# KiCad board q2v2.kicad_pcb (continued)
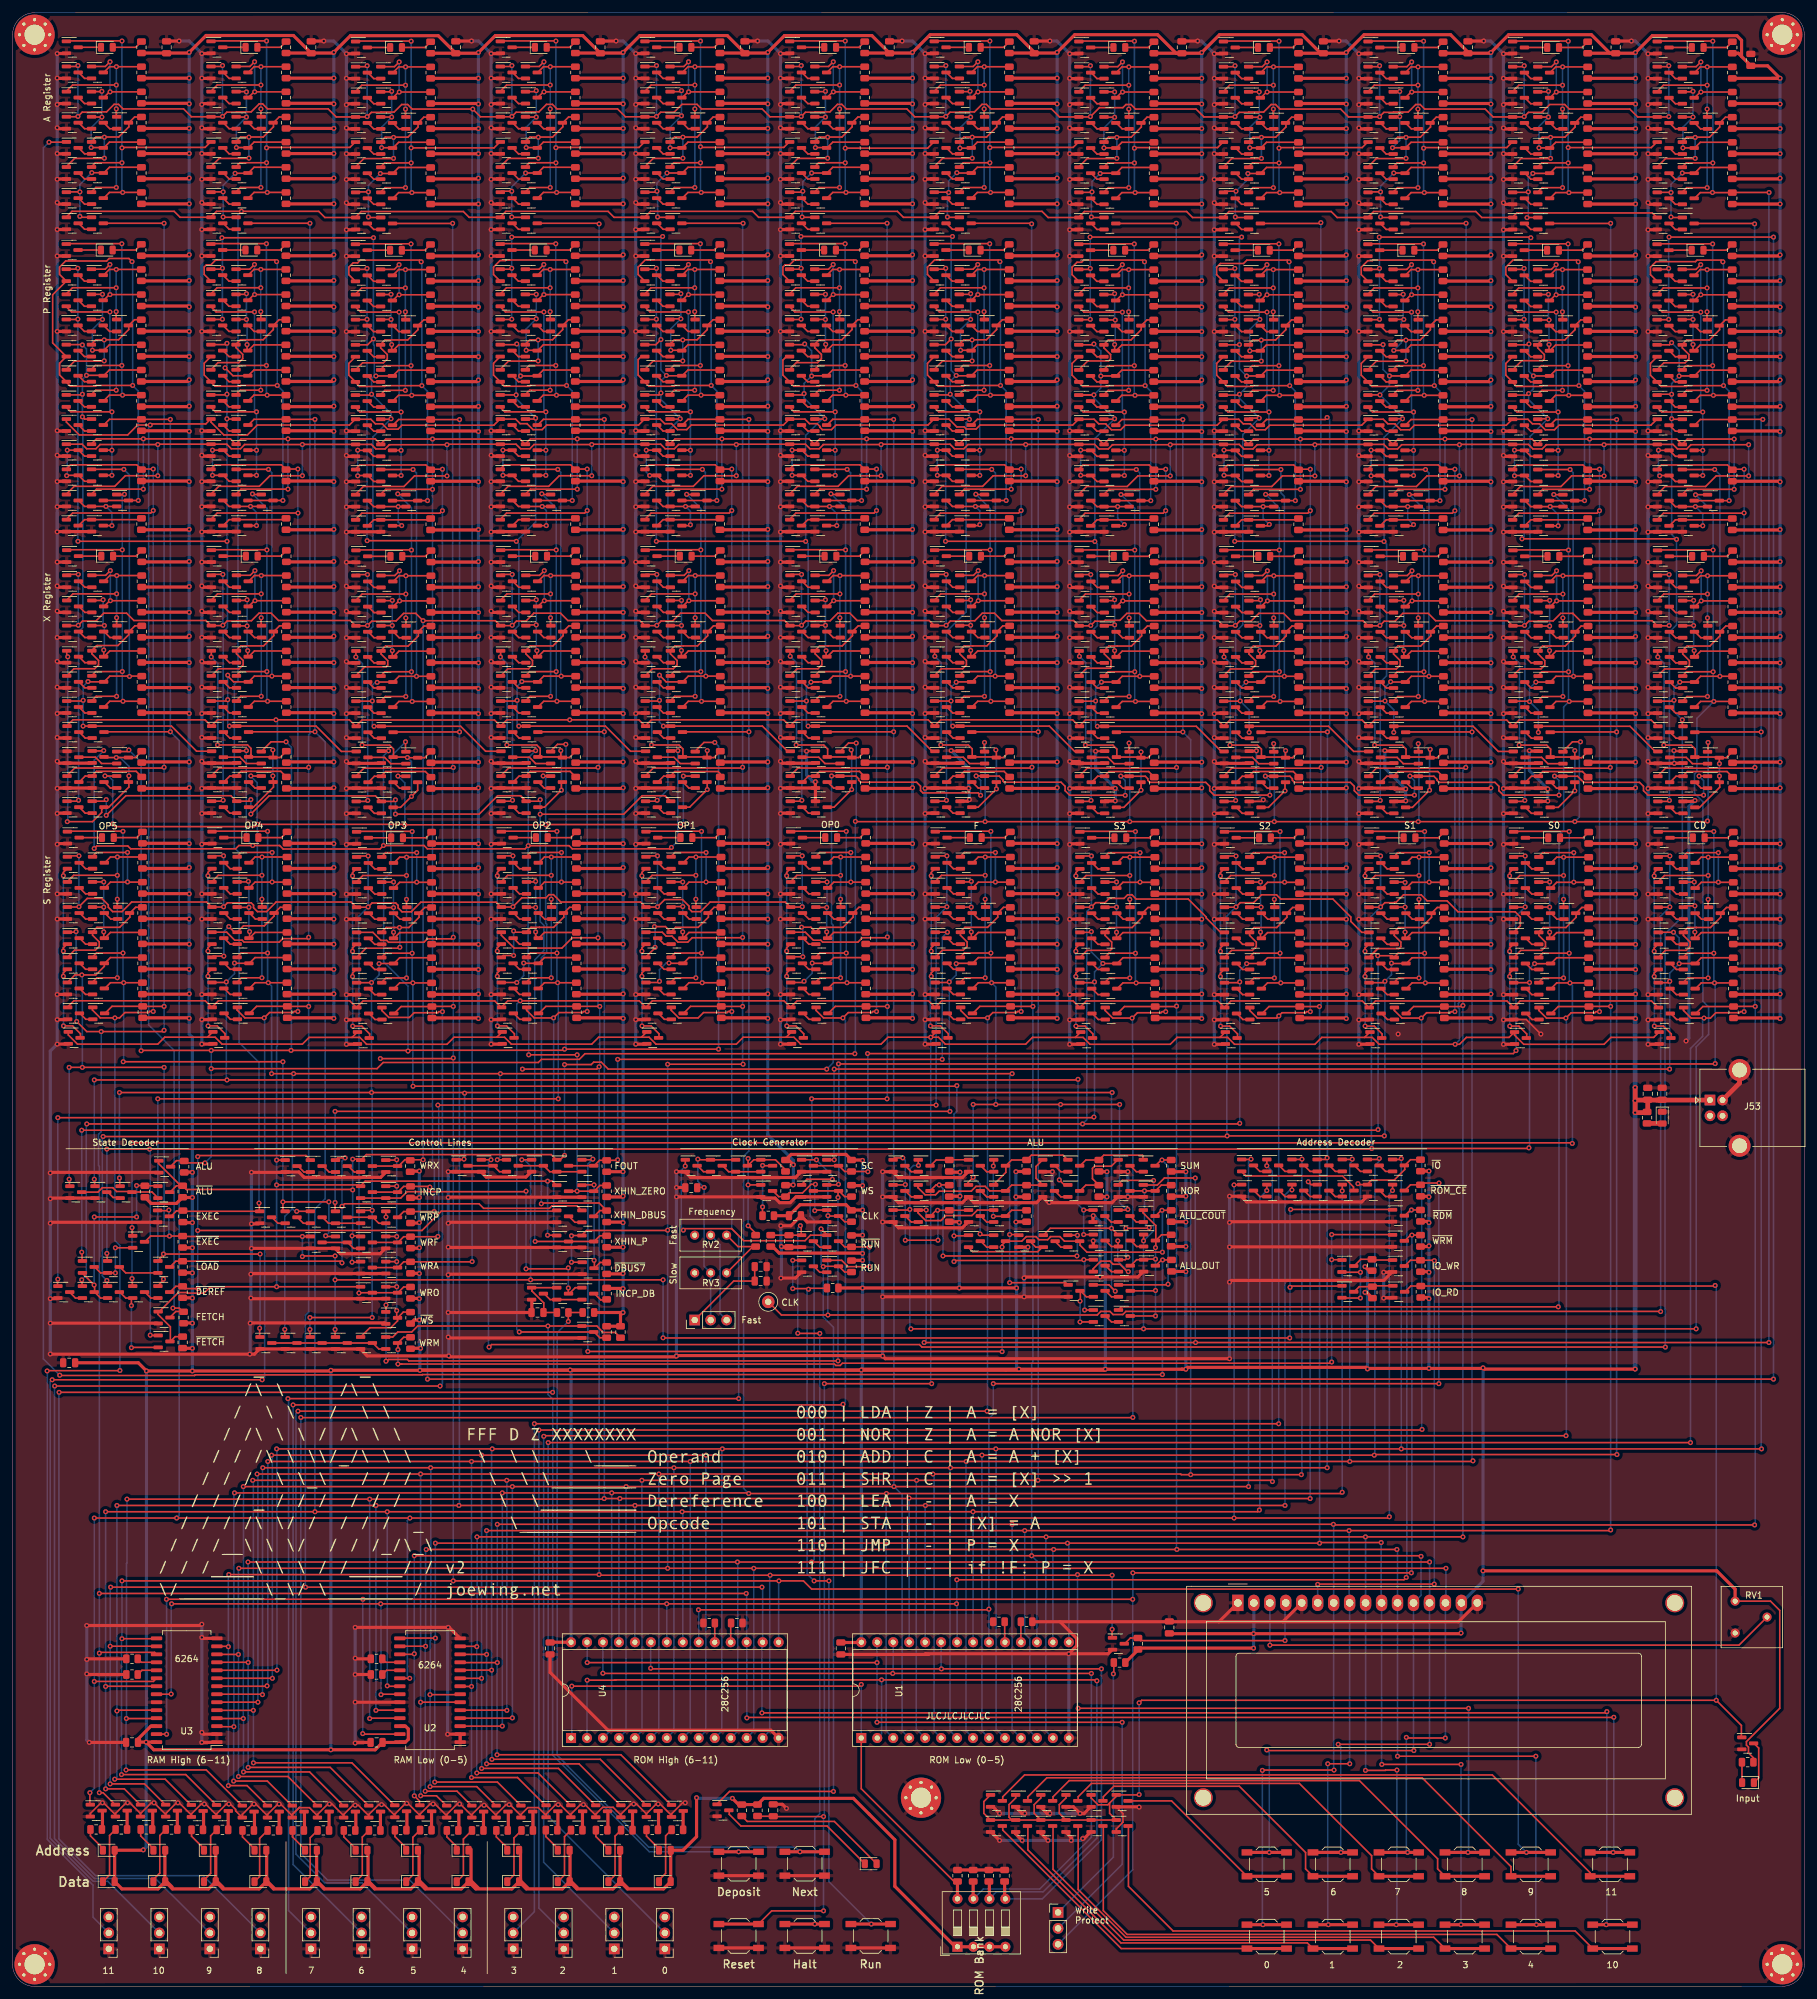
[diagram p0: board, top side]
## Routing (per net, layer and track width the routed paths; a pad name or vN(x,y) marks a point on that pad's centre or on a via; arc(x,y) is an arc through that point)
GND: length 4482.5
  Top w0.25: v1(197.85,196.6) 196.7,196.6 ; 24.35,27.37 v1(22.5,29.23) 22.07,29.23 20.35,27.5 ; 238.75,153.85 240.78,153.85 v1(243.1,151.53) ; Q1125.2 32.44,27.45 34.01,29.03 v1(34.4,29.03) 34.62,29.03 35.48,28.17 35.48,27.93 Q1128.2 36.54,27.36 38.21,29.03 v1(38.4,29.03) 38.69,29.03 40.54,27.17 ; Q1121.2 20.35,27.51 18.64,29.23 v1(18.3,29.23) 18.07,29.23 16.36,27.52 Q1120.2 ; 92.76,27.22 91.06,28.93 v1(90.8,28.93) 90.32,28.93 88.8,27.4 Q1141.2 ; Q1135.2 64.79,27.4 66.41,29.03 v1(66.9,29.03) 67.2,29.03 69.05,27.17 ; 48.5,27.35 48.5,26.88 ; Q1146.2 175.56,25.07 176.63,26.13 176.63,27.51 Q1151.2 ; 32.44,27.27 30.69,29.03 v1(30.5,29.03) 30.01,29.03 28.44,27.45 Q1124.2 ; 56.66,27.17 55.01,28.83 v1(54.5,28.83) 54.13,28.83 52.66,27.35 Q1132.2 ; 88.8,27.22 87.1,28.93 v1(86.8,28.93) 86.38,28.93 84.86,27.4 Q1140.2 ; 40.54,27.35 42.21,29.03 v1(42.4,29.03) 42.62,29.03 44.49,27.15 ; Q1144.2 100.81,27.46 99.25,29.03 v1(98.8,29.03) 98.38,29.03 96.76,27.4 Q1143.2 ; 60.79,27.22 59.09,28.93 v1(58.7,28.93) 58.23,28.93 56.66,27.35 Q1133.2 ; Q1129.2 40.54,27.36 ; 52.66,27.17 50.81,29.03 v1(50.4,29.03) 50.16,29.03 48.49,27.35 Q1131.2 ; 73.05,27.17 71.2,29.03 v1(71.1,29.03) 70.72,29.03 69.05,27.35 Q1136.2 ; Q1122.2 24.35,27.5 26.07,29.23 v1(26.3,29.23) 26.49,29.23 28.44,27.27 ; v1(198.95,188.8) 198.7,188.55 196.65,188.55 ; 16.36,27.33 14.46,29.23 v1(14.3,29.23) 14.08,29.23 12.36,27.51 Q1119.2 ; Q555.1 126.34,196.57 v1(126.3,196.53) ; Q638.1 149.35,196.57 v1(149.3,196.63) ; 84.86,27.22 83.63,28.45 81.95,28.45 80.86,27.36 Q1139.2 ; 44.49,27.35 45.66,28.53 ; 44.49,27.36 Q1130.2 ; 80.86,27.18 79.11,28.93 v1(79,28.93) 78.49,28.93 76.92,27.35 Q1138.2 ; v1(107,29.23) 106.58,29.23 104.81,27.45 Q1145.2 ; 48.49,27.17 47.22,28.45 45.58,28.45 44.41,27.27 44.41,26.95 ; Q1137.2 73.05,27.35 74.52,28.83 v1(75,28.83) 75.33,28.83 76.92,27.23 ; 96.76,27.26 95.53,28.5 93.85,28.5 92.76,27.4 Q1142.2 ; Q721.1 172.29,196.55 v1(172.28,196.53) ; 104.81,27.21 103,29.03 102.38,29.03 100.81,27.45 ; 64.79,27.22 62.89,29.13 v1(62.7,29.13) 62.51,29.13 60.79,27.4 Q1134.2 ; v1(264.27,196.63) 264.36,196.55 Q1053.1
  Top w0.5: 133.55,6.13 139.85,6.13 ; v1(30.1,307.53) 31.45,307.53 ; v1(30.1,279.53) 31.45,279.53 ; 31.5,283.58 30.35,283.58 v1(30.1,283.83) ; v1(30.1,287.53) 30.15,287.58 31.5,287.58 ; v1(30.1,291.63) 30.15,291.58 31.5,291.58 ; v1(30.1,295.73) 30.25,295.58 31.5,295.58 ; 31.5,299.58 30.25,299.58 v1(30.1,299.43) ; v1(30.1,303.63) 30.15,303.58 31.5,303.58 ; v1(30.1,153.83) 31.65,153.83 ; 35.6,190.68 30.15,190.68 v1(30.1,190.63) ; 31.6,186.68 30.15,186.68 v1(30.1,186.63) ; v1(30.1,194.93) 30.4,194.63 35.55,194.63 ; v1(30.1,198.73) 30.2,198.63 31.6,198.63 ; v1(30.1,202.53) 30.19,202.62 31.55,202.62 ; v1(30.1,206.73) 30.21,206.62 31.55,206.62 ; 31.55,210.62 30.31,210.62 v1(30.1,210.83) ; 31.55,214.62 30.11,214.62 v1(30.1,214.63) ; v1(30.1,218.83) 30.31,218.62 31.55,218.62 ; v1(30.1,222.83) 30.31,222.62 31.55,222.62 ; v1(30.1,226.63) 30.11,226.62 31.55,226.62 ; v1(30.1,231.43) 30.15,231.48 35.5,231.48 ; v1(30.1,235.43) 30.15,235.48 31.5,235.48 ; 31.5,239.48 30.15,239.48 v1(30.1,239.43) ; v1(30.1,243.63) 30.25,243.48 31.5,243.48 ; 31.5,247.48 30.15,247.48 v1(30.1,247.53) ; v1(30.1,263.33) 30.11,263.32 31.48,263.32 ; v1(30.1,275.33) 30.11,275.32 31.48,275.32 ; v1(30.1,181.73) 30.21,181.84 31.66,181.84 ; v1(30.1,173.83) 30.11,173.84 31.66,173.84 ; v1(30.1,169.83) 30.11,169.84 31.66,169.84 ; v1(30.1,157.83) 30.11,157.84 31.66,157.84 ; v1(30.1,149.93) 31.75,149.93 ; v1(99.12,307.52) 100.47,307.52 ; v1(99.12,279.52) 100.47,279.52 ; 100.53,283.57 99.38,283.57 v1(99.12,283.82) ; v1(99.12,287.52) 99.18,287.57 100.53,287.57 ; v1(99.12,291.62) 99.18,291.57 100.53,291.57 ; v1(99.12,295.72) 99.28,295.57 100.53,295.57 ; 100.53,299.57 99.28,299.57 v1(99.12,299.42) ; v1(99.12,303.62) 99.18,303.57 100.53,303.57 ; v1(99.12,153.82) 100.68,153.82 ; 104.63,190.67 99.18,190.67 v1(99.12,190.62) ; 100.63,186.67 99.18,186.67 v1(99.12,186.62) ; v1(99.12,194.92) 99.43,194.62 104.57,194.62 ; v1(99.12,198.72) 99.22,198.62 100.62,198.62 ; v1(99.12,202.52) 99.22,202.61 100.57,202.61 ; v1(99.12,206.72) 99.24,206.61 100.57,206.61 ; 100.57,210.61 99.34,210.61 v1(99.12,210.82) ; 100.57,214.61 99.13,214.61 v1(99.12,214.62) ; v1(99.12,218.82) 99.34,218.61 100.57,218.61 ; v1(99.12,222.82) 99.34,222.61 100.57,222.61 ; v1(99.12,226.62) 99.13,226.61 100.57,226.61 ; v1(99.12,231.42) 99.18,231.47 104.53,231.47 ; v1(99.12,235.42) 99.18,235.47 100.53,235.47 ; 100.53,239.47 99.18,239.47 v1(99.12,239.42) ; v1(99.12,243.62) 99.28,243.47 100.53,243.47 ; 100.53,247.47 99.18,247.47 v1(99.12,247.52) ; v1(99.12,263.32) 99.13,263.32 100.5,263.32 ; v1(99.12,275.32) 99.13,275.32 100.5,275.32 ; v1(99.12,181.72) 99.24,181.83 100.69,181.83 ; v1(99.12,173.82) 99.13,173.83 100.69,173.83 ; v1(99.12,169.82) 99.13,169.83 100.69,169.83 ; v1(99.12,157.82) 99.13,157.83 100.69,157.83 ; v1(99.12,149.92) 100.78,149.92 ; v1(76.12,307.52) 77.47,307.52 ; v1(76.12,279.52) 77.47,279.52 ; 77.53,283.57 76.38,283.57 v1(76.12,283.82) ; v1(76.12,287.52) 76.17,287.57 77.53,287.57 ; v1(76.12,291.62) 76.17,291.57 77.53,291.57 ; v1(76.12,295.72) 76.28,295.57 77.53,295.57 ; 77.53,299.57 76.28,299.57 v1(76.12,299.42) ; v1(76.12,303.62) 76.17,303.57 77.53,303.57 ; v1(76.12,153.82) 77.68,153.82 ; 81.63,190.67 76.17,190.67 v1(76.12,190.62) ; 77.63,186.67 76.17,186.67 v1(76.12,186.62) ; v1(76.12,194.92) 76.42,194.62 81.57,194.62 ; v1(76.12,198.72) 76.22,198.62 77.62,198.62 ; v1(76.12,202.52) 76.22,202.61 77.57,202.61 ; v1(76.12,206.72) 76.23,206.61 77.57,206.61 ; 77.57,210.61 76.33,210.61 v1(76.12,210.82) ; 77.57,214.61 76.14,214.61 v1(76.12,214.62) ; v1(76.12,218.82) 76.33,218.61 77.57,218.61 ; v1(76.12,222.82) 76.33,222.61 77.57,222.61 ; v1(76.12,226.62) 76.14,226.61 77.57,226.61 ; v1(76.12,231.42) 76.17,231.47 81.53,231.47 ; v1(76.12,235.42) 76.17,235.47 77.53,235.47 ; 77.53,239.47 76.17,239.47 v1(76.12,239.42) ; v1(76.12,243.62) 76.28,243.47 77.53,243.47 ; 77.53,247.47 76.17,247.47 v1(76.12,247.52) ; v1(76.12,263.32) 76.13,263.32 77.5,263.32 ; v1(76.12,275.32) 76.13,275.32 77.5,275.32 ; v1(76.12,181.72) 76.23,181.83 77.69,181.83 ; v1(76.12,173.82) 76.14,173.83 77.69,173.83 ; v1(76.12,169.82) 76.14,169.83 77.69,169.83 ; v1(76.12,157.82) 76.14,157.83 77.69,157.83 ; v1(76.12,149.92) 77.78,149.92 ; v1(53.1,307.5) 54.45,307.5 ; v1(53.1,279.5) 54.45,279.5 ; 54.5,283.55 53.35,283.55 v1(53.1,283.8) ; v1(53.1,287.5) 53.15,287.55 54.5,287.55 ; v1(53.1,291.6) 53.15,291.55 54.5,291.55 ; v1(53.1,295.7) 53.25,295.55 54.5,295.55 ; 54.5,299.55 53.25,299.55 v1(53.1,299.4) ; v1(53.1,303.6) 53.15,303.55 54.5,303.55 ; v1(53.1,153.8) 54.65,153.8 ; 58.6,190.65 53.15,190.65 v1(53.1,190.6) ; 54.6,186.65 53.15,186.65 v1(53.1,186.6) ; v1(53.1,194.9) 53.4,194.6 58.55,194.6 ; v1(53.1,198.7) 53.2,198.6 54.6,198.6 ; v1(53.1,202.5) 53.19,202.59 54.55,202.59 ; v1(53.1,206.7) 53.21,206.59 54.55,206.59 ; 54.55,210.59 53.31,210.59 v1(53.1,210.8) ; 54.55,214.59 53.11,214.59 v1(53.1,214.6) ; v1(53.1,218.8) 53.31,218.59 54.55,218.59 ; v1(53.1,222.8) 53.31,222.59 54.55,222.59 ; v1(53.1,226.6) 53.11,226.59 54.55,226.59 ; v1(53.1,231.4) 53.15,231.45 58.5,231.45 ; v1(53.1,235.4) 53.15,235.45 54.5,235.45 ; 54.5,239.45 53.15,239.45 v1(53.1,239.4) ; v1(53.1,243.6) 53.25,243.45 54.5,243.45 ; 54.5,247.45 53.15,247.45 v1(53.1,247.5) ; v1(53.1,263.3) 53.11,263.29 54.48,263.29 ; v1(53.1,275.3) 53.11,275.29 54.48,275.29 ; v1(53.1,181.7) 53.21,181.81 54.66,181.81 ; v1(53.1,173.8) 53.11,173.81 54.66,173.81 ; v1(53.1,169.8) 53.11,169.81 54.66,169.81 ; v1(53.1,157.8) 53.11,157.81 54.66,157.81 ; v1(53.1,149.9) 54.75,149.9 ; 261.55,287.55 260.2,287.55 v1(260.15,287.5) ; 261.55,239.45 260.2,239.45 v1(260.15,239.4) ; v1(260.15,169.8) 260.16,169.81 261.71,169.81 ; 261.71,173.81 260.16,173.81 v1(260.15,173.8) ; v1(260.15,263.3) 260.15,263.29 261.53,263.29 ; v1(260.15,247.5) 260.2,247.45 261.55,247.45 ; v1(260.15,226.6) 260.16,226.59 261.6,226.59 ; 261.6,206.59 260.26,206.59 v1(260.15,206.7) ; 261.6,214.59 260.16,214.59 v1(260.15,214.6) ; v1(260.15,194.9) 260.45,194.6 v1(264.33,194.6) 265.6,194.6 ; v1(260.15,279.5) 261.5,279.5 ; 238.71,181.81 237.26,181.81 v1(237.15,181.7) ; 238.53,275.29 237.15,275.29 v1(237.15,275.3) ; v1(237.15,239.4) 237.2,239.45 238.55,239.45 ; 238.55,243.45 237.3,243.45 v1(237.15,243.6) ; 238.55,235.45 237.2,235.45 v1(237.15,235.4) ; v1(237.15,231.4) 237.2,231.45 242.55,231.45 ; v1(237.15,218.8) 237.36,218.59 238.6,218.59 ; v1(237.15,198.7) 237.25,198.6 238.65,198.6 ; v1(237.15,190.6) 237.2,190.65 244.08,190.65 v1(244.2,190.53) ; v1(237.15,186.6) 237.2,186.65 238.65,186.65 ; v1(237.15,153.8) 238.7,153.8 ; v1(237.15,299.4) 237.3,299.55 238.55,299.55 ; v1(237.15,303.6) 237.2,303.55 238.55,303.55 ; v1(237.15,295.7) 237.3,295.55 238.55,295.55 ; 238.55,291.55 237.2,291.55 v1(237.15,291.6) ; 238.55,287.55 237.2,287.55 v1(237.15,287.5) ; v1(145.15,149.92) 146.8,149.92 ; 146.71,181.83 145.26,181.83 v1(145.15,181.72) ; v1(145.15,275.32) 145.16,275.32 146.53,275.32 ; v1(145.15,263.32) 145.16,263.32 146.53,263.32 ; v1(145.15,231.42) 145.2,231.47 150.55,231.47 ; 146.6,222.61 145.36,222.61 v1(145.15,222.82) ; v1(145.15,218.82) 145.36,218.61 146.6,218.61 ; v1(122.15,149.92) 123.8,149.92 ; 123.71,157.83 122.16,157.83 v1(122.15,157.82) ; 123.71,169.83 122.16,169.83 v1(122.15,169.82) ; v1(122.15,243.62) 122.3,243.47 123.55,243.47 ; v1(122.15,226.62) 122.16,226.61 123.6,226.61 ; 123.6,206.61 122.26,206.61 v1(122.15,206.72) ; 123.6,202.61 122.24,202.61 v1(122.15,202.52) ; v1(122.15,198.72) 122.25,198.62 123.65,198.62 ; 127.6,194.62 122.45,194.62 v1(122.15,194.92) ; 123.65,186.67 122.2,186.67 v1(122.15,186.62) ; v1(122.15,299.42) 122.3,299.57 123.55,299.57 ; 123.55,291.57 122.2,291.57 v1(122.15,291.62) ; 123.55,295.57 122.3,295.57 v1(122.15,295.72) ; v1(122.15,283.82) 122.4,283.57 123.55,283.57 ; 169.71,157.81 168.16,157.81 v1(168.15,157.8) ; 169.71,169.81 168.16,169.81 v1(168.15,169.8) ; v1(168.15,243.6) 168.3,243.45 169.55,243.45 ; v1(168.15,239.4) 168.2,239.45 169.55,239.45 ; v1(168.15,231.4) 168.2,231.45 173.98,231.45 ; v1(168.15,222.8) 168.36,222.59 169.6,222.59 ; 169.55,235.45 168.2,235.45 v1(168.15,235.4) ; v1(168.15,214.6) 168.16,214.59 169.6,214.59 ; 169.6,206.59 168.26,206.59 v1(168.15,206.7) ; v1(168.15,190.6) 168.2,190.65 173.65,190.65 ; v1(168.15,153.8) 169.7,153.8 ; 169.55,295.55 168.3,295.55 v1(168.15,295.7) ; v1(168.15,303.6) 168.2,303.55 169.55,303.55 ; 169.55,291.55 168.2,291.55 v1(168.15,291.6) ; v1(145.15,190.62) 145.2,190.67 150.65,190.67 ; v1(145.15,194.92) 145.45,194.62 150.6,194.62 ; 146.55,303.57 145.2,303.57 v1(145.15,303.62) ; 146.55,299.57 145.3,299.57 v1(145.15,299.42) ; v1(214.15,149.9) 215.8,149.9 ; v1(214.15,157.8) 214.16,157.81 215.71,157.81 ; 215.71,181.81 214.26,181.81 v1(214.15,181.7) ; v1(214.15,173.8) 214.16,173.81 215.71,173.81 ; 215.53,263.29 214.15,263.29 v1(214.15,263.3) ; v1(214.15,243.6) 214.3,243.45 215.55,243.45 ; v1(214.15,239.4) 214.2,239.45 215.55,239.45 ; 215.55,235.45 214.2,235.45 v1(214.15,235.4) ; v1(214.15,226.6) 214.16,226.59 215.6,226.59 ; 215.6,206.59 214.26,206.59 v1(214.15,206.7) ; 215.65,186.65 214.2,186.65 v1(214.15,186.6) ; 219.65,190.65 214.2,190.65 v1(214.15,190.6) ; v1(214.15,295.7) 214.3,295.55 215.55,295.55 ; 215.55,291.55 214.2,291.55 v1(214.15,291.6) ; v1(214.15,283.8) 214.4,283.55 215.55,283.55 ; v1(214.15,287.5) 214.2,287.55 215.55,287.55 ; v1(214.15,279.5) 215.5,279.5 ; v1(214.15,307.5) 215.5,307.5 ; v1(191.15,149.9) 192.8,149.9 ; 192.71,169.81 191.16,169.81 v1(191.15,169.8) ; 192.71,173.81 191.16,173.81 v1(191.15,173.8) ; v1(191.15,181.7) 191.26,181.81 192.71,181.81 ; v1(191.15,243.6) 191.3,243.45 192.55,243.45 ; v1(191.15,210.8) 191.36,210.59 192.6,210.59 ; 192.6,202.59 191.24,202.59 v1(191.15,202.5) ; 192.6,206.59 191.26,206.59 v1(191.15,206.7) ; v1(191.15,198.7) 191.25,198.6 192.65,198.6 ; 192.65,186.65 191.2,186.65 v1(191.15,186.6) ; v1(191.15,303.6) 191.2,303.55 192.55,303.55 ; v1(191.15,299.4) 191.3,299.55 192.55,299.55 ; 192.55,291.55 191.2,291.55 v1(191.15,291.6) ; 192.55,287.55 191.2,287.55 v1(191.15,287.5) ; v1(191.15,279.5) 192.5,279.5 ; v1(191.15,307.5) 192.5,307.5 ; v1(191.15,157.8) 191.16,157.81 192.71,157.81 ; v1(191.15,247.5) 191.2,247.45 192.55,247.45 ; 192.53,263.29 191.16,263.29 v1(191.15,263.3) ; 192.55,239.45 191.2,239.45 v1(191.15,239.4) ; v1(191.15,231.4) 191.2,231.45 196.55,231.45 ; 192.6,226.59 191.16,226.59 v1(191.15,226.6) ; 192.6,218.59 191.36,218.59 v1(191.15,218.8) ; v1(191.15,214.6) 191.16,214.59 192.6,214.59 ; 196.6,194.6 191.45,194.6 v1(191.15,194.9) ; 196.65,190.65 191.2,190.65 v1(191.15,190.6) ; v1(191.15,153.8) 192.7,153.8 ; 192.55,295.55 191.3,295.55 v1(191.15,295.7) ; 215.71,169.81 214.16,169.81 v1(214.15,169.8) ; 215.53,275.29 214.15,275.29 v1(214.15,275.3) ; 215.55,247.45 214.2,247.45 v1(214.15,247.5) ; v1(214.15,222.8) 214.36,222.59 215.6,222.59 ; 215.6,218.59 214.36,218.59 v1(214.15,218.8) ; v1(214.15,210.8) 214.36,210.59 215.6,210.59 ; v1(214.15,202.5) 214.24,202.59 215.6,202.59 ; v1(214.15,303.6) 214.2,303.55 215.55,303.55 ; v1(214.15,299.4) 214.3,299.55 215.55,299.55 ; v1(168.15,181.7) 168.26,181.81 169.71,181.81 ; 169.6,226.59 168.16,226.59 v1(168.15,226.6) ; 169.6,218.59 168.36,218.59 v1(168.15,218.8) ; 173.6,194.6 168.45,194.6 v1(168.15,194.9) 169.71,194.9 ; 169.55,299.55 168.3,299.55 v1(168.15,299.4) ; 169.55,287.55 168.2,287.55 v1(168.15,287.5) ; 169.55,283.55 168.4,283.55 v1(168.15,283.8) ; v1(168.15,279.5) 169.5,279.5 ; v1(168.15,307.5) 169.5,307.5 ; v1(122.15,231.42) 122.2,231.47 127.55,231.47 ; v1(122.15,214.62) 122.16,214.61 123.6,214.61 ; v1(122.15,190.62) 122.2,190.67 127.65,190.67 ; 123.55,287.57 122.2,287.57 v1(122.15,287.52) ; v1(122.15,279.52) 123.5,279.52 ; v1(122.15,307.52) 123.5,307.52 ; 146.71,157.83 145.16,157.83 v1(145.15,157.82) ; v1(145.15,173.82) 145.16,173.83 146.71,173.83 ; v1(145.15,169.82) 145.16,169.83 146.71,169.83 ; v1(145.15,247.52) 145.2,247.47 146.55,247.47 ; v1(145.15,243.62) 145.3,243.47 146.55,243.47 ; 146.55,235.47 145.2,235.47 v1(145.15,235.42) ; v1(145.15,202.52) 145.24,202.61 146.6,202.61 ; v1(145.15,206.72) 145.26,206.61 146.6,206.61 ; 146.65,198.62 145.25,198.62 v1(145.15,198.72) ; 146.65,186.67 145.2,186.67 v1(145.15,186.62) ; v1(145.15,287.52) 145.2,287.57 146.55,287.57 ; v1(145.15,283.82) 145.4,283.57 146.55,283.57 ; v1(145.15,279.52) 146.5,279.52 ; v1(145.15,307.52) 146.5,307.52 ; 123.53,275.32 122.16,275.32 v1(122.15,275.32) ; 123.53,263.32 122.16,263.32 v1(122.15,263.32) ; v1(122.15,247.52) 122.2,247.47 123.55,247.47 ; 123.55,239.47 122.2,239.47 v1(122.15,239.42) ; v1(122.15,235.42) 122.2,235.47 123.55,235.47 ; v1(237.15,263.3) 237.15,263.29 238.53,263.29 ; v1(237.15,247.5) 237.2,247.45 238.55,247.45 ; v1(237.15,214.6) 237.16,214.59 238.6,214.59 ; 238.6,210.59 237.36,210.59 v1(237.15,210.8) ; 238.6,202.59 237.24,202.59 v1(237.15,202.5) ; v1(237.15,283.8) 237.4,283.55 238.55,283.55 ; v1(260.15,190.6) 260.2,190.65 265.65,190.65 ; v1(260.15,295.7) 260.3,295.55 261.55,295.55 ; v1(260.15,186.6) 260.2,186.65 261.65,186.65 ; v1(260.15,198.7) 260.25,198.6 261.65,198.6 ; 261.55,235.45 260.2,235.45 v1(260.15,235.4) ; 261.53,275.29 260.15,275.29 v1(260.15,275.3) ; v1(145.15,239.42) 145.2,239.47 146.55,239.47 ; 146.55,295.57 145.3,295.57 v1(145.15,295.72) ; v1(145.15,210.82) 145.36,210.61 146.6,210.61 ; v1(145.15,214.62) 145.16,214.61 146.6,214.61 ; v1(145.15,226.62) 145.16,226.61 146.6,226.61 ; v1(237.15,149.9) 238.8,149.9 ; 238.71,157.81 237.16,157.81 v1(237.15,157.8) ; 238.71,169.81 237.16,169.81 v1(237.15,169.8) ; 238.71,173.81 237.16,173.81 v1(237.15,173.8) ; 238.6,206.59 237.26,206.59 v1(237.15,206.7) ; v1(237.15,279.5) 238.5,279.5 ; v1(237.15,307.5) 238.5,307.5 ; 238.6,226.59 237.16,226.59 v1(237.15,226.6) ; v1(237.15,222.8) 237.36,222.59 238.6,222.59 ; 192.55,283.55 191.4,283.55 v1(191.15,283.8) ; v1(260.15,303.6) 260.2,303.55 261.55,303.55 ; v1(260.15,283.8) 260.4,283.55 261.55,283.55 ; v1(260.15,157.8) 260.16,157.81 261.71,157.81 ; v1(260.15,218.8) 260.36,218.59 261.6,218.59 ; 261.6,202.59 260.24,202.59 v1(260.15,202.5) ; v1(260.15,307.5) 261.5,307.5 ; 261.55,291.55 260.2,291.55 v1(260.15,291.6) ; v1(168.15,247.5) 168.2,247.45 169.55,247.45 ; 123.6,222.61 122.36,222.61 v1(122.15,222.82) ; 123.6,210.61 122.36,210.61 v1(122.15,210.82) ; v1(122.15,153.82) 123.7,153.82 ; v1(122.15,303.62) 122.2,303.57 123.55,303.57 ; v1(168.15,149.9) 169.8,149.9 ; v1(168.15,186.6) 168.2,186.65 169.65,186.65 ; v1(168.15,173.8) 168.16,173.81 169.71,173.81 ; v1(191.15,235.4) 191.2,235.45 192.55,235.45 ; 192.53,275.29 191.16,275.29 v1(191.15,275.3) ; v1(214.15,231.4) 214.2,231.45 219.55,231.45 ; 219.6,194.6 214.45,194.6 v1(214.15,194.9) ; 215.65,198.6 214.25,198.6 v1(214.15,198.7) ; 169.53,275.29 168.16,275.29 v1(168.15,275.3) ; 192.6,222.59 191.36,222.59 v1(191.15,222.8) ; 261.55,243.45 260.3,243.45 v1(260.15,243.6) ; v1(260.15,181.7) 260.26,181.81 261.71,181.81 ; v1(260.15,210.8) 260.36,210.59 261.6,210.59 ; v1(260.15,149.9) 261.8,149.9 ; v1(260.15,231.4) 260.2,231.45 265.55,231.45 ; 261.55,299.55 260.3,299.55 v1(260.15,299.4) ; v1(260.15,153.8) 261.7,153.8 ; 261.6,222.59 260.36,222.59 v1(260.15,222.8) ; v1(237.15,194.9) 237.45,194.6 242.6,194.6 ; v1(214.15,214.6) 214.16,214.59 215.6,214.59 ; v1(214.15,153.8) 215.7,153.8 ; v1(145.15,153.82) 146.7,153.82 ; v1(122.15,173.82) 122.16,173.83 123.71,173.83 ; 123.71,181.83 122.26,181.83 v1(122.15,181.72) ; v1(122.15,218.82) 122.36,218.61 123.6,218.61 ; v1(168.15,210.8) 168.36,210.59 169.6,210.59 ; v1(168.15,263.3) 168.16,263.29 169.53,263.29 ; 169.6,202.59 168.24,202.59 v1(168.15,202.5) ; v1(168.15,198.7) 168.25,198.6 169.65,198.6 ; 146.55,291.57 145.2,291.57 v1(145.15,291.62) ; v1(7.1,231.43) 7.15,231.48 12.5,231.48 ; v1(7.1,202.53) 7.19,202.62 8.55,202.62 ; v1(54.5,38.73) 54.6,38.83 C20.1 ; 82.6,109.23 82.6,107.23 v1(69.3,107.23) ; SW7.2 SW7.2 ; v1(69.3,129.63) 74.5,129.63 75.35,128.78 81.65,128.78 82.5,129.63 ; 195.45,125.68 196.3,124.83 214.6,124.83 215.45,125.68 ; 90.5,125.58 69.35,125.58 v1(69.3,125.53) ; 23.15,129.53 6.1,129.53 v1(6,129.43) ; 8.55,206.62 7.21,206.62 v1(7.1,206.73) ; v1(7.1,153.83) 8.65,153.83 ; v1(171.9,122.63) 171.86,122.59 Q274.2 ; v1(7.1,307.53) 8.45,307.53 ; v1(218.1,109.53) 218.15,109.58 219.5,109.58 ; 179.85,113.73 179,112.88 161.05,112.88 v1(160.9,112.73) ; 8.5,299.58 7.25,299.58 v1(7.1,299.43) ; U2.1 U2.2 69.22,40.14 v1(69.2,40.13) ; v1(49.5,309.53) 47.55,309.53 ; v1(11.8,52.03) 11.9,52.13 R469.2 ; v1(7.1,243.63) 7.25,243.48 8.5,243.48 ; C23.1 122.45,28.98 v1(123.1,28.33) ; 163.5,28.58 164.55,27.53 v1(165,27.53) ; 8.66,157.84 7.11,157.84 v1(7.1,157.83) ; v1(6,105.53) 23.05,105.53 ; v1(7.1,186.63) 7.15,186.68 8.6,186.68 ; v1(234,309.53) 231.55,309.53 ; 166.61,58.03 169.27,55.37 169.27,54.2 v1(168,52.93) ; 125.45,117.63 122.4,117.63 v1(122.3,117.73) ; 12.55,194.63 7.4,194.63 v1(7.1,194.93) ; U3.14 30.25,55.38 v1(30.1,55.53) ; v1(193.57,99.88) 138.82,99.88 v1(138.4,100.3) 138.32,100.38 105.68,100.38 v1(105.6,100.3) 105.47,100.18 69.53,100.18 v1(69.38,100.33) 56.4,100.33 55.3,101.43 39.3,101.43 38.47,100.6 v1(37.73,100.6) 6.03,100.6 v1(6,100.63) ; v1(38,129.53) 43.35,129.53 ; 43.4,129.58 45.54,129.58 46.39,128.73 58.55,128.73 59.4,129.58 ; v1(96,309.53) 93.55,309.53 ; v1(54.5,52.23) 54.6,52.13 R464.2 ; Q280.2 171.91,118.61 v1(171.9,118.63) ; v1(54.5,57.13) v1(69.3,57.13) 69.45,57.13 U2.14 ; v1(138.4,129.63) 140,129.63 140.93,128.7 151.07,128.7 152,129.63 ; v1(168.4,23.23) 168.4,23.68 167.5,24.58 ; 59.3,105.43 59.15,105.58 37.85,105.58 v1(37.8,105.53) ; 219.45,113.68 218.1,112.33 193.85,112.33 v1(193.57,112.05) ; v1(175.4,188.63) 173.79,188.63 Q719.1 ; 59.3,109.43 38,109.43 v1(37.9,109.53) ; 8.55,226.62 7.11,226.62 v1(7.1,226.63) ; 8.55,222.62 7.31,222.62 v1(7.1,222.83) ; v1(241.27,196.63) 241.36,196.55 Q970.1 ; U4.14 120.6,40.78 94.69,40.78 85.5,49.97 C21.1 ; v1(218.27,196.63) 218.36,196.55 Q887.1 ; 8.66,181.84 7.21,181.84 v1(7.1,181.73) ; 129.45,125.63 124.61,125.63 123.69,124.7 122.01,124.7 121.29,125.43 119.15,125.43 118.95,125.63 v1(105.6,125.63) ; v1(152.2,188.83) 151.94,188.57 150.65,188.57 ; 179.8,125.63 175.8,125.63 174.87,124.7 164.73,124.7 163.8,125.63 162.87,124.7 152.93,124.7 152,125.63 151.07,124.7 140.93,124.7 140,125.63 v1(138.4,125.63) ; R509.2 R506.2 ; 8.55,214.62 7.11,214.62 v1(7.1,214.63) ; v1(30.1,38.83) 32.45,38.83 ; C22.1 145.76,52.83 ; 202.06,58.03 230,58.03 DS1.16 ; 202.06,58.03 191.9,58.03 ; 202.06,58.03 DS1.5 ; 155.65,24.58 v1(157,23.23) ; v1(7.1,275.33) 7.1,275.32 8.48,275.32 ; v1(7.1,198.73) 7.2,198.63 8.6,198.63 ; 163.5,24.43 v1(164.7,23.23) ; v1(11.8,57.43) 29.9,57.43 v1(30.1,57.63) ; v1(69.3,117.63) 69.35,117.58 90.5,117.58 ; v1(7.1,295.73) 7.25,295.58 8.5,295.58 ; v1(6,121.43) 6.15,121.58 22.9,121.58 ; 129.45,121.63 126.4,121.63 C3.1 123.8,121.03 v1(122.2,121.03) ; 171.5,24.58 170.45,23.53 v1(170.22,23.53) ; v1(138.4,121.63) 140,121.63 140.93,120.7 151.07,120.7 152,121.63 ; 12.6,190.68 7.15,190.68 v1(7.1,190.63) ; v1(138.4,109.73) v1(160.9,109.73) 167.85,109.73 ; 8.5,287.58 7.15,287.58 v1(7.1,287.53) ; 8.66,169.84 7.11,169.84 v1(7.1,169.83) ; R467.2 11.9,49.63 v1(11.8,49.73) ; SW5.2 SW5.2 ; v1(38,117.43) 51.3,117.43 52.15,116.58 58.45,116.58 59.3,117.43 ; v1(141.5,309.53) 139.55,309.53 ; v1(193.57,121.55) 193.7,121.68 219.45,121.68 ; 125.45,113.63 124.53,112.71 v1(122.22,112.71) ; 13.05,125.43 6.1,125.43 v1(6,125.33) ; R501.2 191.9,58.03 ; 191.9,58.03 DS1.1 ; 8.55,210.62 7.31,210.62 v1(7.1,210.83) ; v1(7.1,247.53) 7.15,247.48 8.5,247.48 ; v1(7.1,263.33) 7.1,263.32 8.48,263.32 ; Q255.2 v1(165.4,129.63) ; v1(152.08,190.63) 150.69,190.63 ; v1(69.3,103.33) 69.45,103.18 90.5,103.18 ; v1(105.6,129.63) 106.95,129.63 107.88,128.7 124.52,128.7 125.45,129.63 129.45,129.63 ; 59.3,113.43 38,113.43 v1(37.9,113.33) ; v1(218.1,113.63) 219.4,113.63 ; v1(54.5,45.23) 54.5,45.22 U2.23 ; v1(127.7,191.67) 127.7,190.68 ; v1(168,52.93) 145.2,52.93 145.1,52.83 ; v1(168,52.93) 174.25,52.93 174.9,53.58 ; 90.55,113.33 69.4,113.33 v1(69.3,113.23) ; v1(7.1,291.63) 7.15,291.58 8.5,291.58 ; v1(193.57,125.73) 195.4,125.73 ; v1(73,309.53) 70.55,309.53 ; v1(30.1,40.43) 30.39,40.14 U3.2 ; 242.65,188.55 244.15,188.55 v1(244.2,188.6) ; v1(175.4,190.63) 175.38,190.65 